# Altium PCB TIDA-010933-RevA.PcbDoc (part 2 of 9)
Units mm, origin at the board's own origin, x right, y up, seen from the top; angles counter-clockwise.
Board outline 230 x 230 mm, 4 copper layers (Top Layer, Layer 1, Layer 2, Bottom Layer), stack 1.637 mm thick; 776 components, 394 nets, 2295 pads, 2783 vias.
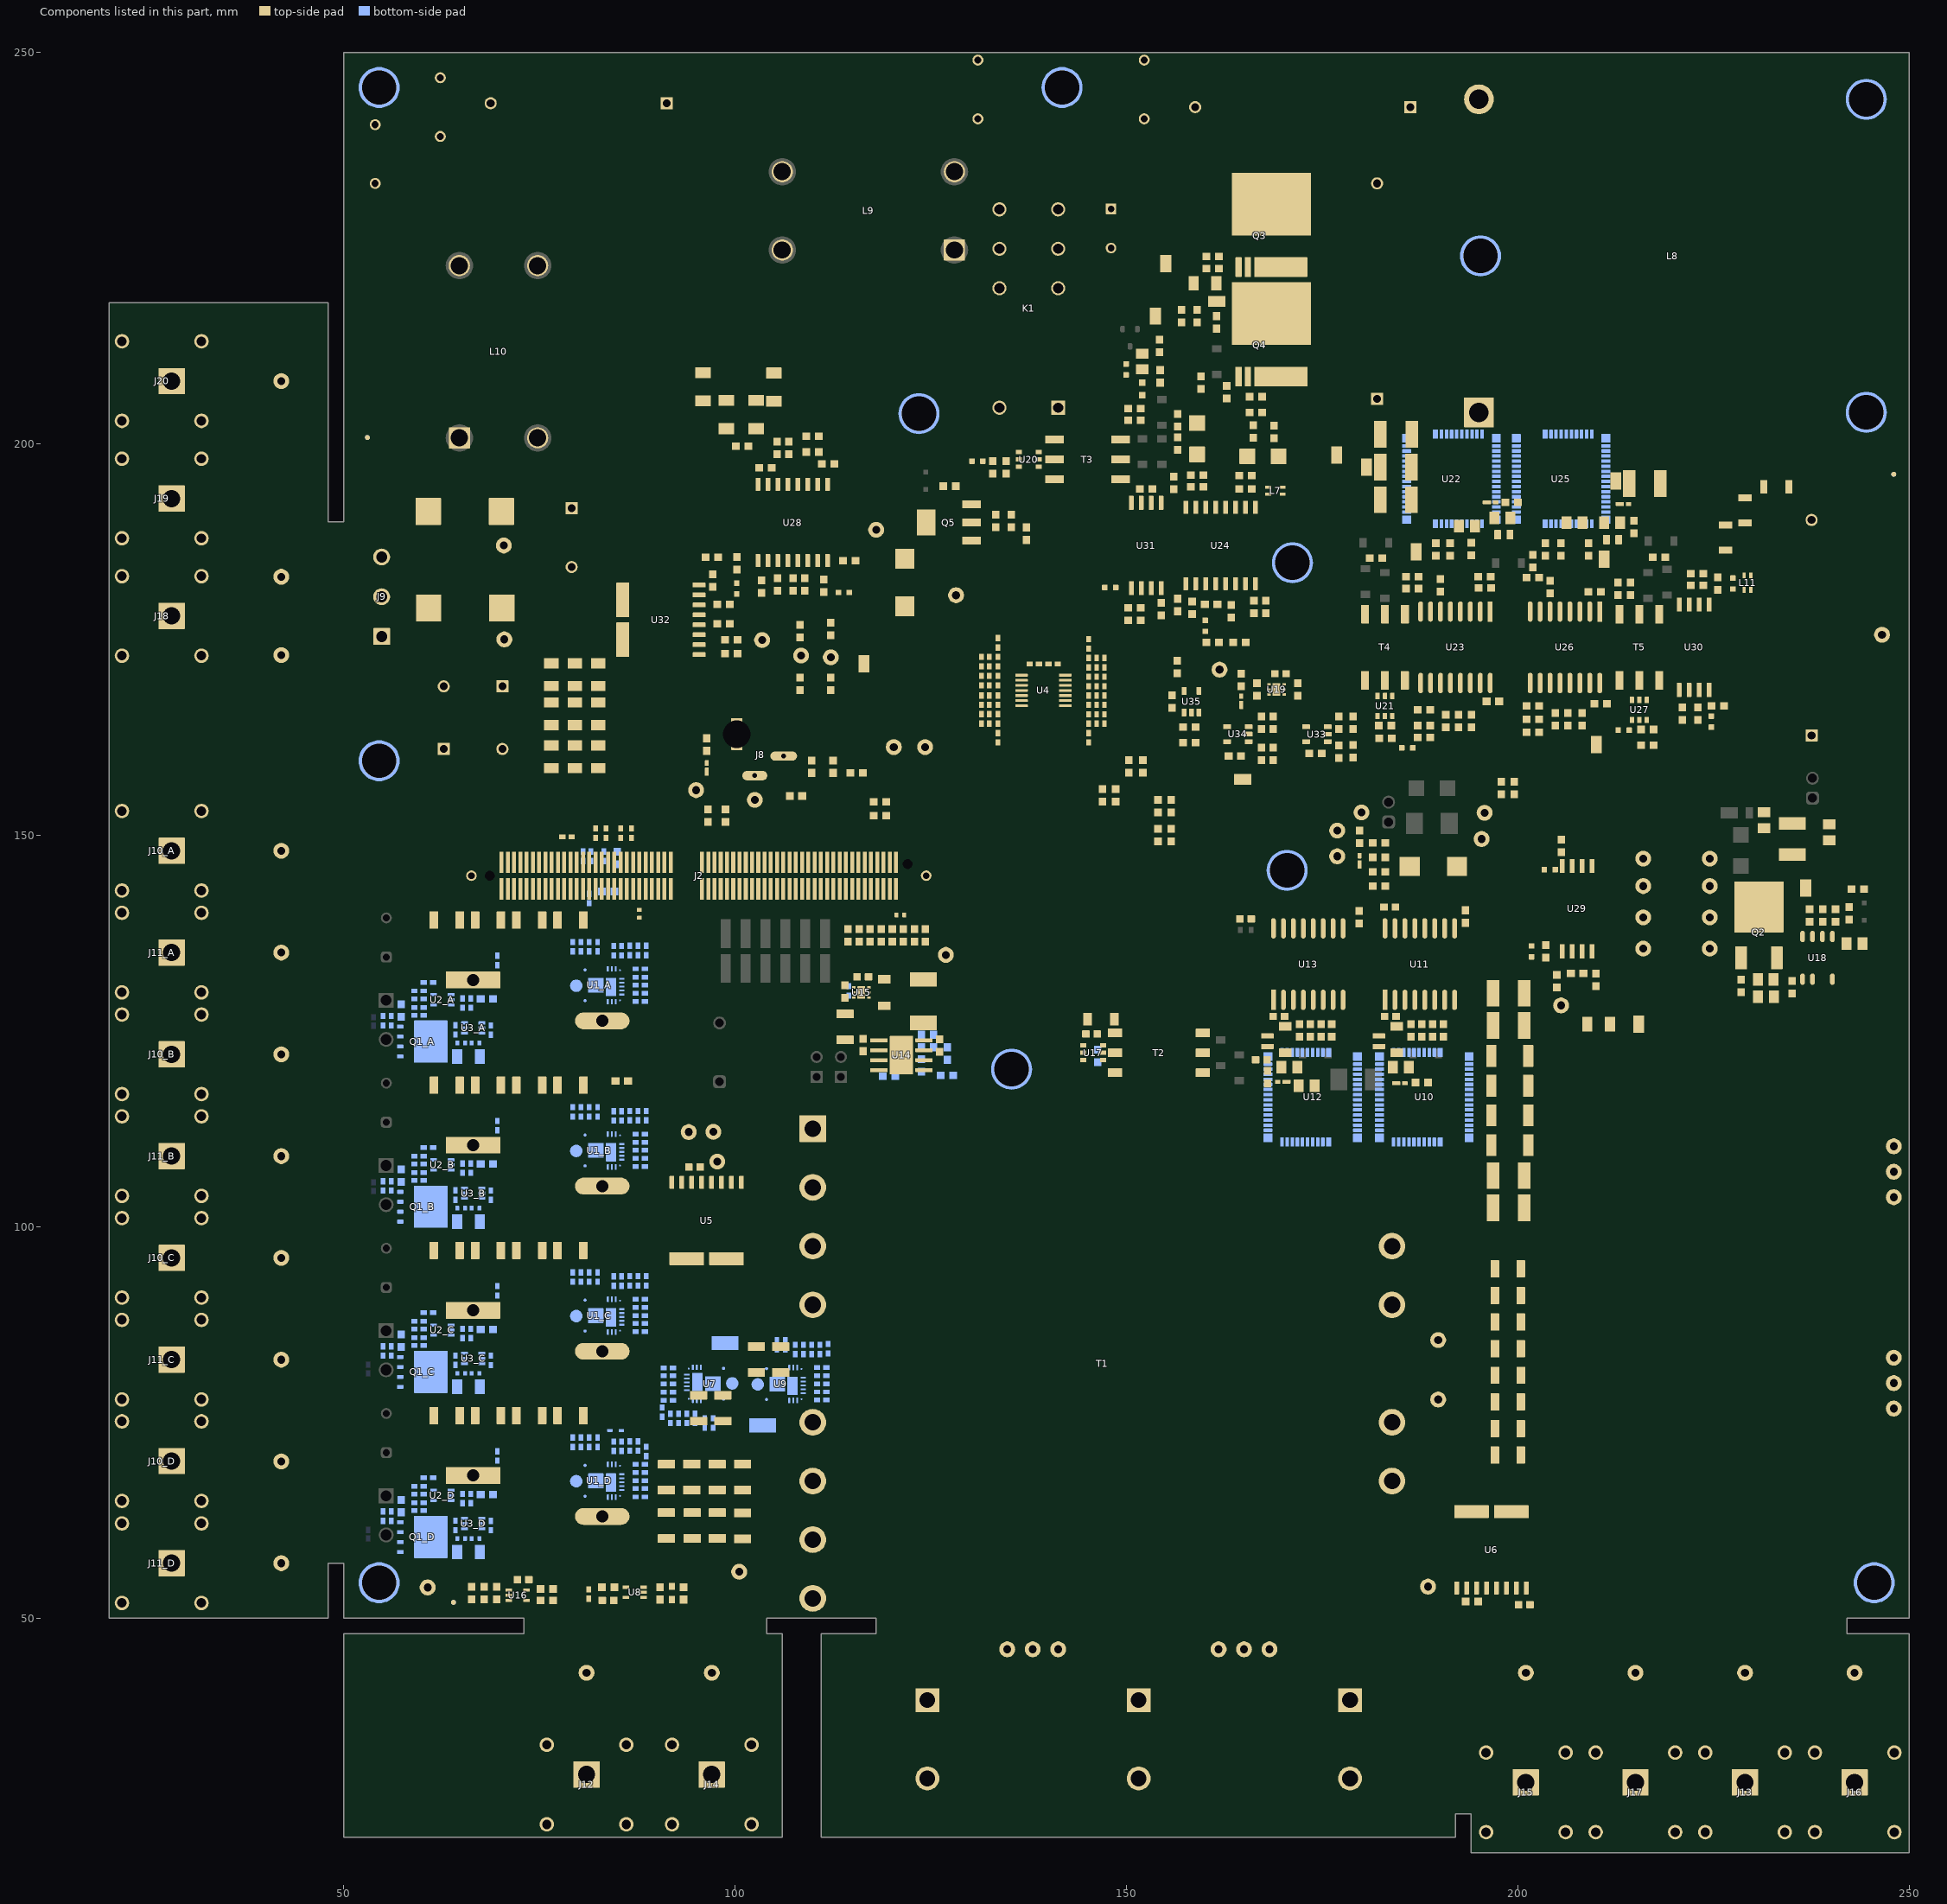
[diagram p4: the components of this part, seen from the top]

## Components (designator, comment, footprint, x,y, rotation, side; value= is the part's Value field where it differs from the comment) (continued)
J13 "FCR7350R" FP-FCR7350R_CONN_BANANA_JACK-MFG 229,18 r90 top
J14 "FCR7350B" FP-FCR7350B_CONN_BANANA_JACK-MFG 97,19 r90 top
J15 "FCR7350B" FP-FCR7350B_CONN_BANANA_JACK-MFG 201,18 r90 top
J16 "FCR7350R" FP-FCR7350R_CONN_BANANA_JACK-MFG 243,18 r90 top
J17 "FCR7350B" FP-FCR7350B_CONN_BANANA_JACK-MFG 215,18 r90 top
J18 "FCR7350Y" FP-FCR7350Y_CONN_BANANA_JACK-MFG 17,178 r0 top
J19 "FCR7350B" FP-FCR7350B_CONN_BANANA_JACK-MFG 17,193 r0 top
J20 "FCR7350L" FP-FCR7350L_CONN_BANANA_JACK-MFG 17,208 r0 top
K1 "RTD14005F" Relay_RTD14005F 137.5,216.5 r180 top
L1_A "VER2923-223KL" FP-VER2923-223KL_PTH_INDUCTOR_26MM92_16MM46-MFG 74.755,128.885 r0 top locked value=22uH (schematic designator L1)
L1_B "VER2923-223KL" FP-VER2923-223KL_PTH_INDUCTOR_26MM92_16MM46-MFG 74.755,107.785 r0 top value=22uH (schematic designator L1)
L1_C "VER2923-223KL" FP-VER2923-223KL_PTH_INDUCTOR_26MM92_16MM46-MFG 74.755,86.685 r0 top value=22uH (schematic designator L1)
L1_D "VER2923-223KL" FP-VER2923-223KL_PTH_INDUCTOR_26MM92_16MM46-MFG 74.755,65.585 r0 top value=22uH (schematic designator L1)
L2 "SDEM20161T-4R7MS" FP-SDEM20161T-4R7MS_SMD2-MFG 182.226,123.675 r270 top
L3 "SDEM20161T-4R7MS" FP-SDEM20161T-4R7MS_SMD2-MFG 167.976,123.675 r270 top
L4 "SRP6540-150M" SRP6540 124.02,128.8 r90 top value=15uH
L5 "74404020100" WE-LQS_2010 198.176,188.387 r180 top value=10uH
L6 "74404020100" WE-LQS_2010 212.08,187.74 r180 top value=10uH
L7 "SRF2012-361YA" SRF2012A 169,194 r0 top
L8 "D6746" FP-D6746_PTH_59MM5_50MM0-MFG 219.75,224 r0 top value=111uH
L9 "D6744" FP-D6744_PTH_CMC_38MM0-MFG 110.5,229.75 r270 top
L10 "D6744" FP-D6744_PTH_CMC_38MM0-MFG 69.75,218.25 r180 top
L11 "SRF2012-361YA" SRF2012A 229.31,182.261 r270 top
LBL1 "THT-14-423-10" Label_650x200 153.5,142.25 r180 top
Logo1 "FCC disclaimer" FCC_disclaimer_stacked 190,364 r90 top
Logo2 "WEEE logo" WEEE_Minimum 188,367 r0 top
LOGO3 "CAUTION HOT SURFACE" IEC_HotSurface_Small 150,319 r0 top
LOGO4 "DANGER HIGH VOLTAGE" IEC_HighVoltage_Small 244,341 r0 top
Logo5 "CE Mark" CE_Mark_5mm 109,380 r0 top
MP2 "9774015960R" FP-9774015960R_ROUND_SPACER_6MM0-MFG 54.5,54.5 r180 bottom locked
MP3 "9774015960R" FP-9774015960R_ROUND_SPACER_6MM0-MFG 135.3,120.1 r180 bottom
MP4 "9774015960R" FP-9774015960R_ROUND_SPACER_6MM0-MFG 170.5,145.5 r180 bottom locked
MP5 "9774015960R" FP-9774015960R_ROUND_SPACER_6MM0-MFG 54.5,159.5 r180 bottom
MP6 "9774015960R" FP-9774015960R_ROUND_SPACER_6MM0-MFG 244.5,204 r180 bottom
MP7 "9774015960R" FP-9774015960R_ROUND_SPACER_6MM0-MFG 244.5,244 r180 bottom
MP8 "9774015960R" FP-9774015960R_ROUND_SPACER_6MM0-MFG 245.5,54.5 r180 bottom
MP9 "9774015960R" FP-9774015960R_ROUND_SPACER_6MM0-MFG 54.5,245.5 r180 bottom
MP10 "9774015960R" FP-9774015960R_ROUND_SPACER_6MM0-MFG 141.75,245.5 r180 bottom
MP11 "9774015960R" FP-9774015960R_ROUND_SPACER_6MM0-MFG 171.182,184.789 r180 bottom
MP12 "9774015960R" FP-9774015960R_ROUND_SPACER_6MM0-MFG 195.208,224 r180 bottom
MP13 "9774015960R" FP-9774015960R_ROUND_SPACER_6MM0-MFG 123.467,203.847 r180 bottom
Q1_A "CSD18540Q5B" DNK0008A 60.02,123.635 r0 bottom value=60V (schematic designator Q1)
Q1_B "CSD18540Q5B" DNK0008A 60.02,102.535 r0 bottom value=60V (schematic designator Q1)
Q1_C "CSD18540Q5B" DNK0008A 60.02,81.435 r0 bottom value=60V (schematic designator Q1)
Q1_D "CSD18540Q5B" DNK0008A 60.02,60.335 r0 bottom value=60V (schematic designator Q1)
Q2 "STD2HNK60Z" FP-STD2HNK60Z_DPAK-MFG 230.775,139.4 r0 top
Q3 "IPT60R022S7XTMA1" FP-IPT60R022S7XTMA1_HSOF8-MFG 168.5,228 r0 top
Q4 "IPT60R022S7XTMA1" FP-IPT60R022S7XTMA1_HSOF8-MFG 168.5,214 r0 top
Q5 "ZXMN7A11GTA" SOT-223 127.288,189.941 r180 top value=70V
R1 "RC0603JR-070RL" 0603 85.5,118.6 r180 top value=0
R2 "RT0402BRD0710KL" 0402 80.543,147.3 r90 bottom value=10.0k
R3 "TMP6131DYAT" DYA0002A-MFG 84.72,73.95 r0 bottom value=10k
R4_A "CRF1206-FZ-R001ELF" 1206 65.925,121.725 r0 bottom value=0.001 (schematic designator R4)
R4_B "CRF1206-FZ-R001ELF" 1206 65.925,100.625 r0 bottom value=0.001 (schematic designator R4)
R4_C "CRF1206-FZ-R001ELF" 1206 65.925,79.525 r0 bottom value=0.001 (schematic designator R4)
R4_D "CRF1206-FZ-R001ELF" 1206 65.925,58.425 r0 bottom value=0.001 (schematic designator R4)
R5_A "RC0603FR-07100KL" 0603 57.3,127.6 r90 bottom value=100k (schematic designator R5)
R5_B "RC0603FR-07100KL" 0603 57.3,106.5 r90 bottom value=100k (schematic designator R5)
R5_C "RC0603FR-07100KL" 0603 57.3,85.4 r90 bottom value=100k (schematic designator R5)
R5_D "RC0603FR-07100KL" 0603 57.3,64.3 r90 bottom value=100k (schematic designator R5)
R6_A "RT0603BRD0739K2L" 0603 68.275,129.075 r0 bottom value=39.2k (schematic designator R6)
R6_B "RT0603BRD0739K2L" 0603 68.275,107.975 r0 bottom value=39.2k (schematic designator R6)
R6_C "RT0603BRD0739K2L" 0603 68.275,86.875 r0 bottom value=39.2k (schematic designator R6)
R6_D "RT0603BRD0739K2L" 0603 68.275,65.775 r0 bottom value=39.2k (schematic designator R6)
R7_A "CRCW04022R70JNED" 0402 87.861,129.816 r180 bottom value=2.7 (schematic designator R7)
R7_B "CRCW04022R70JNED" 0402 87.861,108.716 r180 bottom value=2.7 (schematic designator R7)
R7_C "CRCW04022R70JNED" 0402 87.861,87.616 r180 bottom value=2.7 (schematic designator R7)
R7_D "CRCW04022R70JNED" 0402 87.861,66.516 r180 bottom value=2.7 (schematic designator R7)
R8_A "RC0402FR-07100KL" 0402 55.025,126.3 r90 bottom value=100k (schematic designator R8)
R8_B "RC0402FR-07100KL" 0402 55.025,105.2 r90 bottom value=100k (schematic designator R8)
R8_C "RC0402FR-07100KL" 0402 55.025,84.1 r90 bottom value=100k (schematic designator R8)
R8_D "RC0402FR-07100KL" 0402 55.025,63 r90 bottom value=100k (schematic designator R8)
R9_A "RC0402FR-0749R9L" 0402 59.6,129.1 r180 bottom value=49.9 (schematic designator R9)
R9_B "RC0402FR-0749R9L" 0402 59.6,108 r180 bottom value=49.9 (schematic designator R9)
R9_C "RC0402FR-0749R9L" 0402 59.6,86.9 r180 bottom value=49.9 (schematic designator R9)
R9_D "RC0402FR-0749R9L" 0402 59.6,65.8 r180 bottom value=49.9 (schematic designator R9)
R10_A "CRCW04022R70JNED" 0402 84.486,135.241 r270 bottom value=2.7 (schematic designator R10)
R10_B "CRCW04022R70JNED" 0402 84.486,114.141 r270 bottom value=2.7 (schematic designator R10)
R10_C "CRCW04022R70JNED" 0402 84.486,93.041 r270 bottom value=2.7 (schematic designator R10)
R10_D "CRCW04022R70JNED" 0402 84.486,71.941 r270 bottom value=2.7 (schematic designator R10)
R11_A "ERA-2AEB102X" 0402 66.225,128.55 r90 bottom value=1.00k (schematic designator R11)
R11_B "ERA-2AEB102X" 0402 66.225,107.45 r90 bottom value=1.00k (schematic designator R11)
R11_C "ERA-2AEB102X" 0402 66.225,86.35 r90 bottom value=1.00k (schematic designator R11)
R11_D "ERA-2AEB102X" 0402 66.225,65.25 r90 bottom value=1.00k (schematic designator R11)
R12_A "RC0402FR-0749R9L" 0402 87.561,135.266 r270 bottom value=49.9 (schematic designator R12)
R12_B "RC0402FR-0749R9L" 0402 87.561,114.166 r270 bottom value=49.9 (schematic designator R12)
R12_C "RC0402FR-0749R9L" 0402 87.561,93.066 r270 bottom value=49.9 (schematic designator R12)
R12_D "RC0402FR-0749R9L" 0402 87.561,71.966 r270 bottom value=49.9 (schematic designator R12)
R13_A "RC0402FR-0710KL" 0402 88.611,135.266 r270 bottom value=10.0k (schematic designator R13)
R13_B "RC0402FR-0710KL" 0402 88.611,114.166 r270 bottom value=10.0k (schematic designator R13)
R13_C "RC0402FR-0710KL" 0402 88.611,93.066 r270 bottom value=10.0k (schematic designator R13)
R13_D "RC0402FR-0710KL" 0402 88.611,71.266 r270 bottom value=10.0k (schematic designator R13)
R14_A "RC0402FR-0749R9L" 0402 87.861,131.866 r180 bottom value=49.9 (schematic designator R14)
R14_B "RC0402FR-0749R9L" 0402 87.861,110.766 r180 bottom value=49.9 (schematic designator R14)
R14_C "RC0402FR-0749R9L" 0402 87.861,89.666 r180 bottom value=49.9 (schematic designator R14)
R14_D "RC0402FR-0749R9L" 0402 87.861,68.566 r180 bottom value=49.9 (schematic designator R14)
R15_A "RC0402FR-0710KL" 0402 87.861,132.916 r180 bottom value=10.0k (schematic designator R15)
R15_B "RC0402FR-0710KL" 0402 87.861,111.816 r180 bottom value=10.0k (schematic designator R15)
R15_C "RC0402FR-0710KL" 0402 87.861,90.716 r180 bottom value=10.0k (schematic designator R15)
R15_D "RC0402FR-0710KL" 0402 87.861,69.616 r180 bottom value=10.0k (schematic designator R15)
R16_A "RC0402FR-0749R9L" 0402 59.6,127 r180 bottom value=49.9 (schematic designator R16)
R16_B "RC0402FR-0749R9L" 0402 59.6,105.9 r180 bottom value=49.9 (schematic designator R16)
R16_C "RC0402FR-0749R9L" 0402 59.6,84.8 r180 bottom value=49.9 (schematic designator R16)
R16_D "RC0402FR-0749R9L" 0402 59.6,63.7 r180 bottom value=49.9 (schematic designator R16)
R17_A "RC0402JR-07200RL" FP-RC0402JR-07200RL_0402-MFG 66.825,123.45 r0 bottom value=200 (schematic designator R17)
R17_B "RC0402JR-07200RL" FP-RC0402JR-07200RL_0402-MFG 66.825,102.35 r0 bottom value=200 (schematic designator R17)
R17_C "RC0402JR-07200RL" FP-RC0402JR-07200RL_0402-MFG 66.825,81.25 r0 bottom value=200 (schematic designator R17)
R17_D "RC0402JR-07200RL" FP-RC0402JR-07200RL_0402-MFG 66.825,60.15 r0 bottom value=200 (schematic designator R17)
R18_A "RC0402JR-07200RL" FP-RC0402JR-07200RL_0402-MFG 64.975,123.45 r180 bottom value=200 (schematic designator R18)
R18_B "RC0402JR-07200RL" FP-RC0402JR-07200RL_0402-MFG 64.975,102.35 r180 bottom value=200 (schematic designator R18)
R18_C "RC0402JR-07200RL" FP-RC0402JR-07200RL_0402-MFG 64.975,81.25 r180 bottom value=200 (schematic designator R18)
R18_D "RC0402JR-07200RL" FP-RC0402JR-07200RL_0402-MFG 64.975,60.15 r180 bottom value=200 (schematic designator R18)
R19 "RT0402BRD0710KL" 0402 146.164,167.234 r270 top value=10.0k
R20 "RT0402BRD0710KL" 0402 147.164,167.234 r90 top value=10.0k
R21 "RC0402FR-0749R9L" 0402 145.164,162.434 r270 top value=49.9
R22 "RT0402BRD0710KL" 0402 147.164,164.834 r90 top value=10.0k
R23 "RT0402BRD0710KL" 0402 146.164,164.834 r90 top value=10.0k
R24 "ERA-2AEB153X" 0402 146.164,169.634 r90 top value=15.0k
R25 "RT0402BRD0710KL" 0402 147.164,169.634 r90 top value=10.0k
R26 "RC0402FR-0749R9L" 0402 145.164,174.434 r90 top value=49.9
R27 "RT0402BRD0710KL" 0402 147.164,172.034 r90 top value=10.0k
R28 "ERA-2AEB153X" 0402 146.164,172.034 r270 top value=15.0k
R29 "ERA-2AEB752X" 0402 132.464,169.734 r270 top value=7.50k
R30 "RT0402BRD0710KL" 0402 131.464,169.734 r270 top value=10.0k
R31 "RC0402FR-0749R9L" 0402 133.564,174.563 r90 top value=49.9
R32 "RT0402BRD0710KL" 0402 131.464,172.163 r90 top value=10.0k
R33 "ERA-2AEB752X" 0402 132.464,172.163 r270 top value=7.50k
R34 "RT0402BRD0710KL" 0402 132.464,167.234 r270 top value=10.0k
R35 "RT0402BRD0710KL" 0402 131.464,167.234 r90 top value=10.0k
R36 "RC0402FR-0749R9L" 0402 133.564,162.434 r270 top value=49.9
R37 "RT0402BRD0710KL" 0402 131.464,164.855 r90 top value=10.0k
R38 "RT0402BRD0710KL" 0402 132.464,164.855 r270 top value=10.0k
R39 "RC0603FR-0756RL" 0603 83.743,142.8 r180 bottom value=56.0
R40 "RC0603FR-0756RL" 0603 84.9,147.1 r270 bottom value=56.0
R41 "RT0603BRD0739K2L" 0603 93.4,53.15 r90 top value=39.2k
R42 "CRCW04022R70JNED" 0402 91.443,80.925 r0 bottom value=2.7
R43 "RC0603FR-0756RL" 0603 83.74,53.927 r180 top value=56.0
R44 "CRCW04022R70JNED" 0402 94.843,75.5 r90 bottom value=2.7
R45 "RT0603BRD071KL" FP-RT0603BRD071KL_0603-MFG 91.9,53.2 r270 top value=1K
R46 "RC0402FR-0749R9L" 0402 91.693,75.5 r90 bottom value=49.9
R47 "RC0402FR-0710KL" 0402 90.643,76.3 r90 bottom value=10.0k
R48 "RC0402FR-0749R9L" 0402 91.443,78.85 r0 bottom value=49.9
R49 "RC0402FR-0710KL" 0402 91.45,77.822 r0 bottom value=10.0k
R50 "CRCW04022R70JNED" 0402 111.05,78.875 r180 bottom value=2.7
R51 "CRCW04022R70JNED" 0402 107.65,84.3 r270 bottom value=2.7
R52 "RC0402FR-0749R9L" 0402 110.8,84.3 r270 bottom value=49.9
R53 "RC0402FR-0710KL" 0402 111.85,84.4 r270 bottom value=10.0k
R54 "RC0402FR-0749R9L" 0402 111.05,80.95 r180 bottom value=49.9
R55 "RC0402FR-0710KL" 0402 111.043,81.978 r180 bottom value=10.0k
R56 "CRCW08052R00FKEA" 0805_HV 173,118 r0 top value=2.00
R57 "RC0603FR-0756RL" 0603 186.326,125.075 r270 top value=56.0
R58 "RC0603FR-0756RL" 0603 117.229,137.2 r270 top value=56.0
R59 "RC0603FR-0756RL" 0603 114.4,137.2 r270 top value=56.0
R60 "RC0603FR-0720KL" 0603 189.076,125.075 r270 top value=20.0k
R61 "RC0603FR-0756RL" 0603 172.076,125.075 r270 top value=56.0
R62 "RC0603FR-0756RL" 0603 120.057,137.2 r270 top value=56.0
R63 "RC0603FR-0756RL" 0603 122.886,137.2 r270 top value=56.0
R64 "RC0603FR-0720KL" 0603 174.826,125.075 r270 top value=20.0k
R65 "RC0402JR-070RP" FP-RC0402JR-070RP_0402-MFG 121.1,139.8 r180 top value=0
R66 "RC0603FR-07316KL" 0603 123.77,120.6 r90 bottom value=316k
R67 "RC0402FR-0710KL" 0402 114.5,130.1 r90 bottom value=10.0k
R68 "RC0603FR-07226KL" 0603 125.32,123.7 r270 bottom value=226k
R69 "RC0603FR-07100KL" 0603 127.02,119.3 r180 bottom value=100k
R70 "RC0603FR-0773K2L" 0603 119.62,119.2 r180 bottom value=73.2k
R71 "RT0603BRD0710KL" 0603 66.3,53.2 r90 top value=10.0k
R72 "RC0603FR-0756RL" 0603 75.9,52.25 r0 top value=56.0
R73 "RT0603BRD0710KL" 0603 67.9,53.2 r270 top value=10.0k
R74 "CRCW0805100KFKEA" 0805_HV 239.768,150.357 r90 top value=100k
R75 "CRCW0805100RFKEA" 0805_HV 231.4,151.9 r90 top value=100
R76 "RC0603FR-0747KL" 0603 182.25,145.332 r0 top value=47.0k
R77 "RC0603FR-0747KL" 0603 182.25,147.166 r0 top value=47.0k
R78 "RC0603FR-0747KL" 0603 182.25,149 r0 top value=47.0k
R79 "CRCW0603470RJNEA" 0603 243.382,143.097 r180 top value=470
R80 "RCWE0603R560FKEA" 0603 228.49,130.75 r90 top value=0.56
R81 "RC0603FR-07150KL" 0603 242.282,140 r90 top value=150k
R82 "RC0603FR-07470RL" 0603 235,130.555 r270 top value=470
R83 "ERJ-6RQF2R2V" 0805_HV 231.671,129.371 r0 top value=2.20
R84 "RC0805FR-076R2L" 0805_HV 231.65,131.571 r0 top value=6.20
R85 "CRCW060333K2FKEA" 0603 240.557,139.75 r270 top value=33.2k
R86 "MCT06030C1004FP500" 0603 238.916,139.75 r270 top value=1.00Meg
R87 "ERJ3EKF3902V" 0603 237.25,139.75 r270 top value=39.0k
R88 "CRCW06031K50JNEA" 0603 179.767,149.786 r90 top value=1.5k
R89 "CRCW0603820RJNEA" 0603 164.647,169.813 r90 top value=820
R90 "CRCW06031K50JNEA" 0603 96.36,161.567 r90 top value=1.5k
R91 "RC0603FR-07100KL" 0603 171.875,168.613 r90 top value=100k
R92 "CRCW08051K21FKEA" 0805_HV 152,210.5 r270 top value=1.21k
R93 "CRCW06035R10JNEA" 0603 156.5,200 r270 top value=5.1
R94 "CRCW06031R00FKEA" 0603 156.5,203 r90 top value=1.00
R95 "RC0603FR-0756RL" 0603 190.772,164.592 r90 top value=56.0
R96 "CRCW060310K0JNEA" 0603 161,222.356 r0 top value=10k
R97 "RC0603FR-0756RL" 0603 188,162.5 r0 top value=56.0
R98 "RC0603FR-0756RL" 0603 190.095,181.897 r90 top value=56.0
R99 "RC0603FR-0733KL" 0603 191.316,186.5 r270 top value=33.0k
R100 "CRCW060310K0FKEA" 0603 188,166 r0 top value=10.0k
R101 "RC0603JR-075K6L" 0603 199.184,192.504 r180 top value=5.6k
R102 "CRCW060310K0FKEA" 0603 152.072,158.8 r270 top value=10.0k
R103 "CRCW060310K0FKEA" 0603 150.291,158.8 r270 top value=10.0k
R104 "CRCW060320K0JNEA" 0603 166.265,179.145 r90 top value=20k
R105 "CRCW060310K0JNEA" 0603 161.001,174.624 r180 top value=10k
R106 "CRCW060320R0JNEA" 0603 159.5,207.8 r90 top value=20
R107 "RC0603JR-0718KL" 0603 164.43,174.624 r180 top value=18k
R108 "CRCW060320R0JNEA" 0603 201.897,182.9 r180 top value=20
R109 "CRCW06035R10JNEA" 0603 166.16,201.546 r270 top value=5.1
R110 "CRCW06031R00FKEA" 0603 168.812,201.5 r270 top value=1.00
R111 "CRCW060310K0JNEA" 0603 166.5,204 r180 top value=10k
R112 "RC0603FR-0756RL" 0603 204.743,164.775 r90 top value=56.0
R113 "RC0603FR-0756RL" 0603 201.897,163.128 r0 top value=56.0
R114 "RC0603FR-0756RL" 0603 204.095,181.7 r90 top value=56.0
R115 "RC0603FR-0733KL" 0603 205.5,186.5 r270 top value=33.0k
R116 "RC0603JR-075K6L" 0603 214.807,189.365 r90 top value=5.6k
R117 "CRCW060310K0FKEA" 0603 201.897,166.5 r0 top value=10.0k
R118 "IsoM3-275-B-L2" FP-IsoM3-275-B-L2_RADIAL-MFG 66.5,169 r180 top
R119 "IsoM3-275-B-L2" FP-IsoM3-275-B-L2_RADIAL-MFG 66.5,161 r0 top
R120 "TNPV1206680KBEEN" TNPV1206 233,194.5 r0 top value=680k
R121 "TNPV1206560KBEEN" TNPV1206 229,191.5 r90 top value=560k
R122 "CRCW1206330KJNEA" 1206 76.5,170.5 r90 top value=330k
R123 "CRCW1206330KJNEA" 1206 79.5,170.5 r90 top value=330k
R124 "CRCW1206330KJNEA" 1206 82.5,170.5 r90 top value=330k
R125 "CRF1206-FZ-R002ELF" 1206 160,220.5 r180 top value=0.002
R126 "IsoM3-275-B-L2" FP-IsoM3-275-B-L2_RADIAL-MFG 79.085,188 r270 top
R127 "CRCW1206330KJNEA" 1206 76.5,165.5 r90 top value=330k
R128 "CRCW1206330KJNEA" 1206 79.5,165.5 r90 top value=330k
R129 "CRCW1206330KJNEA" 1206 82.5,165.5 r90 top value=330k
R130 "TNPV1206560KBEEN" TNPV1206 226.5,188 r90 top value=560k
R131 "CRCW1206330KJNEA" 1206 76.5,160 r90 top value=330k
R132 "CRCW1206330KJNEA" 1206 79.5,160 r90 top value=330k
R133 "CRCW1206330KJNEA" 1206 82.5,160 r90 top value=330k
R134 "RGV3216P-1004-B-T1" FP-RGV3216P-1004-B-T1_1206-MFG 104.925,207.231 r90 top value=1M
R135 "RGV3216P-1004-B-T1" FP-RGV3216P-1004-B-T1_1206-MFG 95.875,207.281 r90 top value=1M
R136 "RGV3216P-1004-B-T1" FP-RGV3216P-1004-B-T1_1206-MFG 102.675,203.72 r90 top value=1M
R137 "RGV3216P-1004-B-T1" FP-RGV3216P-1004-B-T1_1206-MFG 98.875,203.72 r90 top value=1M
R138 "RG1608P-822-B-T5" 0603 222.85,183.397 r0 top value=8.20k
R139 "RG1608P-103-B-T5" 0603 100.875,199.684 r0 top value=10.0k
R140 "CRF1206-FZ-R002ELF" 1206 210.3,125.843 r0 top value=0.002
R141 "RT0603BRD0710RL" 0603 159,216.3 r270 top value=10.0
R142 "RT0603BRD0710RL" 0603 157,216.3 r270 top value=10.0
R143 "RT0603BRD0710RL" 0603 204.961,131.35 r90 top value=10.0
R144 "RT0603BRD0710RL" 0603 209.971,131.524 r90 top value=10.0
R145 "CRCW060310K0FKEA" 0603 100.193,184.721 r270 top value=10.0k
R146 "PTCEL13R600LBE" FP-PTCEL13R600LBE_RADIAL-MFG 148,227.5 r270 top value=60Ω
R147 "CRCW060310K0FKEA" 0603 97,185.5 r180 top value=10.0k
R148 "RC0603FR-0756RL" 0603 99.5,173.185 r180 top value=56.0
R149 "RC0603FR-0747KL" 0603 111.3,181.87 r270 top value=47.0k
R150 "RC0603FR-0756RL" 0603 98.5,177 r180 top value=56.0
R151 "RC0603FR-0756RL" 0603 137.193,188.504 r90 top value=56.0
R152 "CRCW060310K0FKEA" 0603 108.281,169.317 r270 top value=10.0k
R153 "CRCW060310K0FKEA" 0603 112.203,169.344 r90 top value=10.0k
R154 "RC0603FR-0756RL" 0603 105.379,182 r270 top value=56.0
R155 "RC0603FR-0756RL" 0603 199.512,156 r270 top value=56.0
R156 "RC0603FR-0756RL" 0603 221,165.5 r90 top value=56.0
R157 "CRCW060310K0FKEA" 0603 135.283,190.129 r270 top value=10.0k
R158 "RC0603FR-0756RL" 0603 197.865,156 r270 top value=56.0
R159 "RC0603FR-0756RL" 0603 103.379,181.75 r270 top value=56.0
R160 "RC0603FR-0756RL" 0603 223,165.5 r90 top value=56.0
R161 "RC0603FR-0756RL" 0603 150.997,179.034 r0 top value=56.0
R162 "RC0603FR-0756RL" 0603 150.976,177.424 r0 top value=56.0
R163 "RC0603FR-0756RL" 0603 98.75,152.5 r270 top value=56.0
R164 "RC0603FR-0756RL" 0603 118.5,154.25 r0 top value=56.0